# Altium PCB FIT_TDC_ADC.PcbDoc (part 2 of 10) (continued)
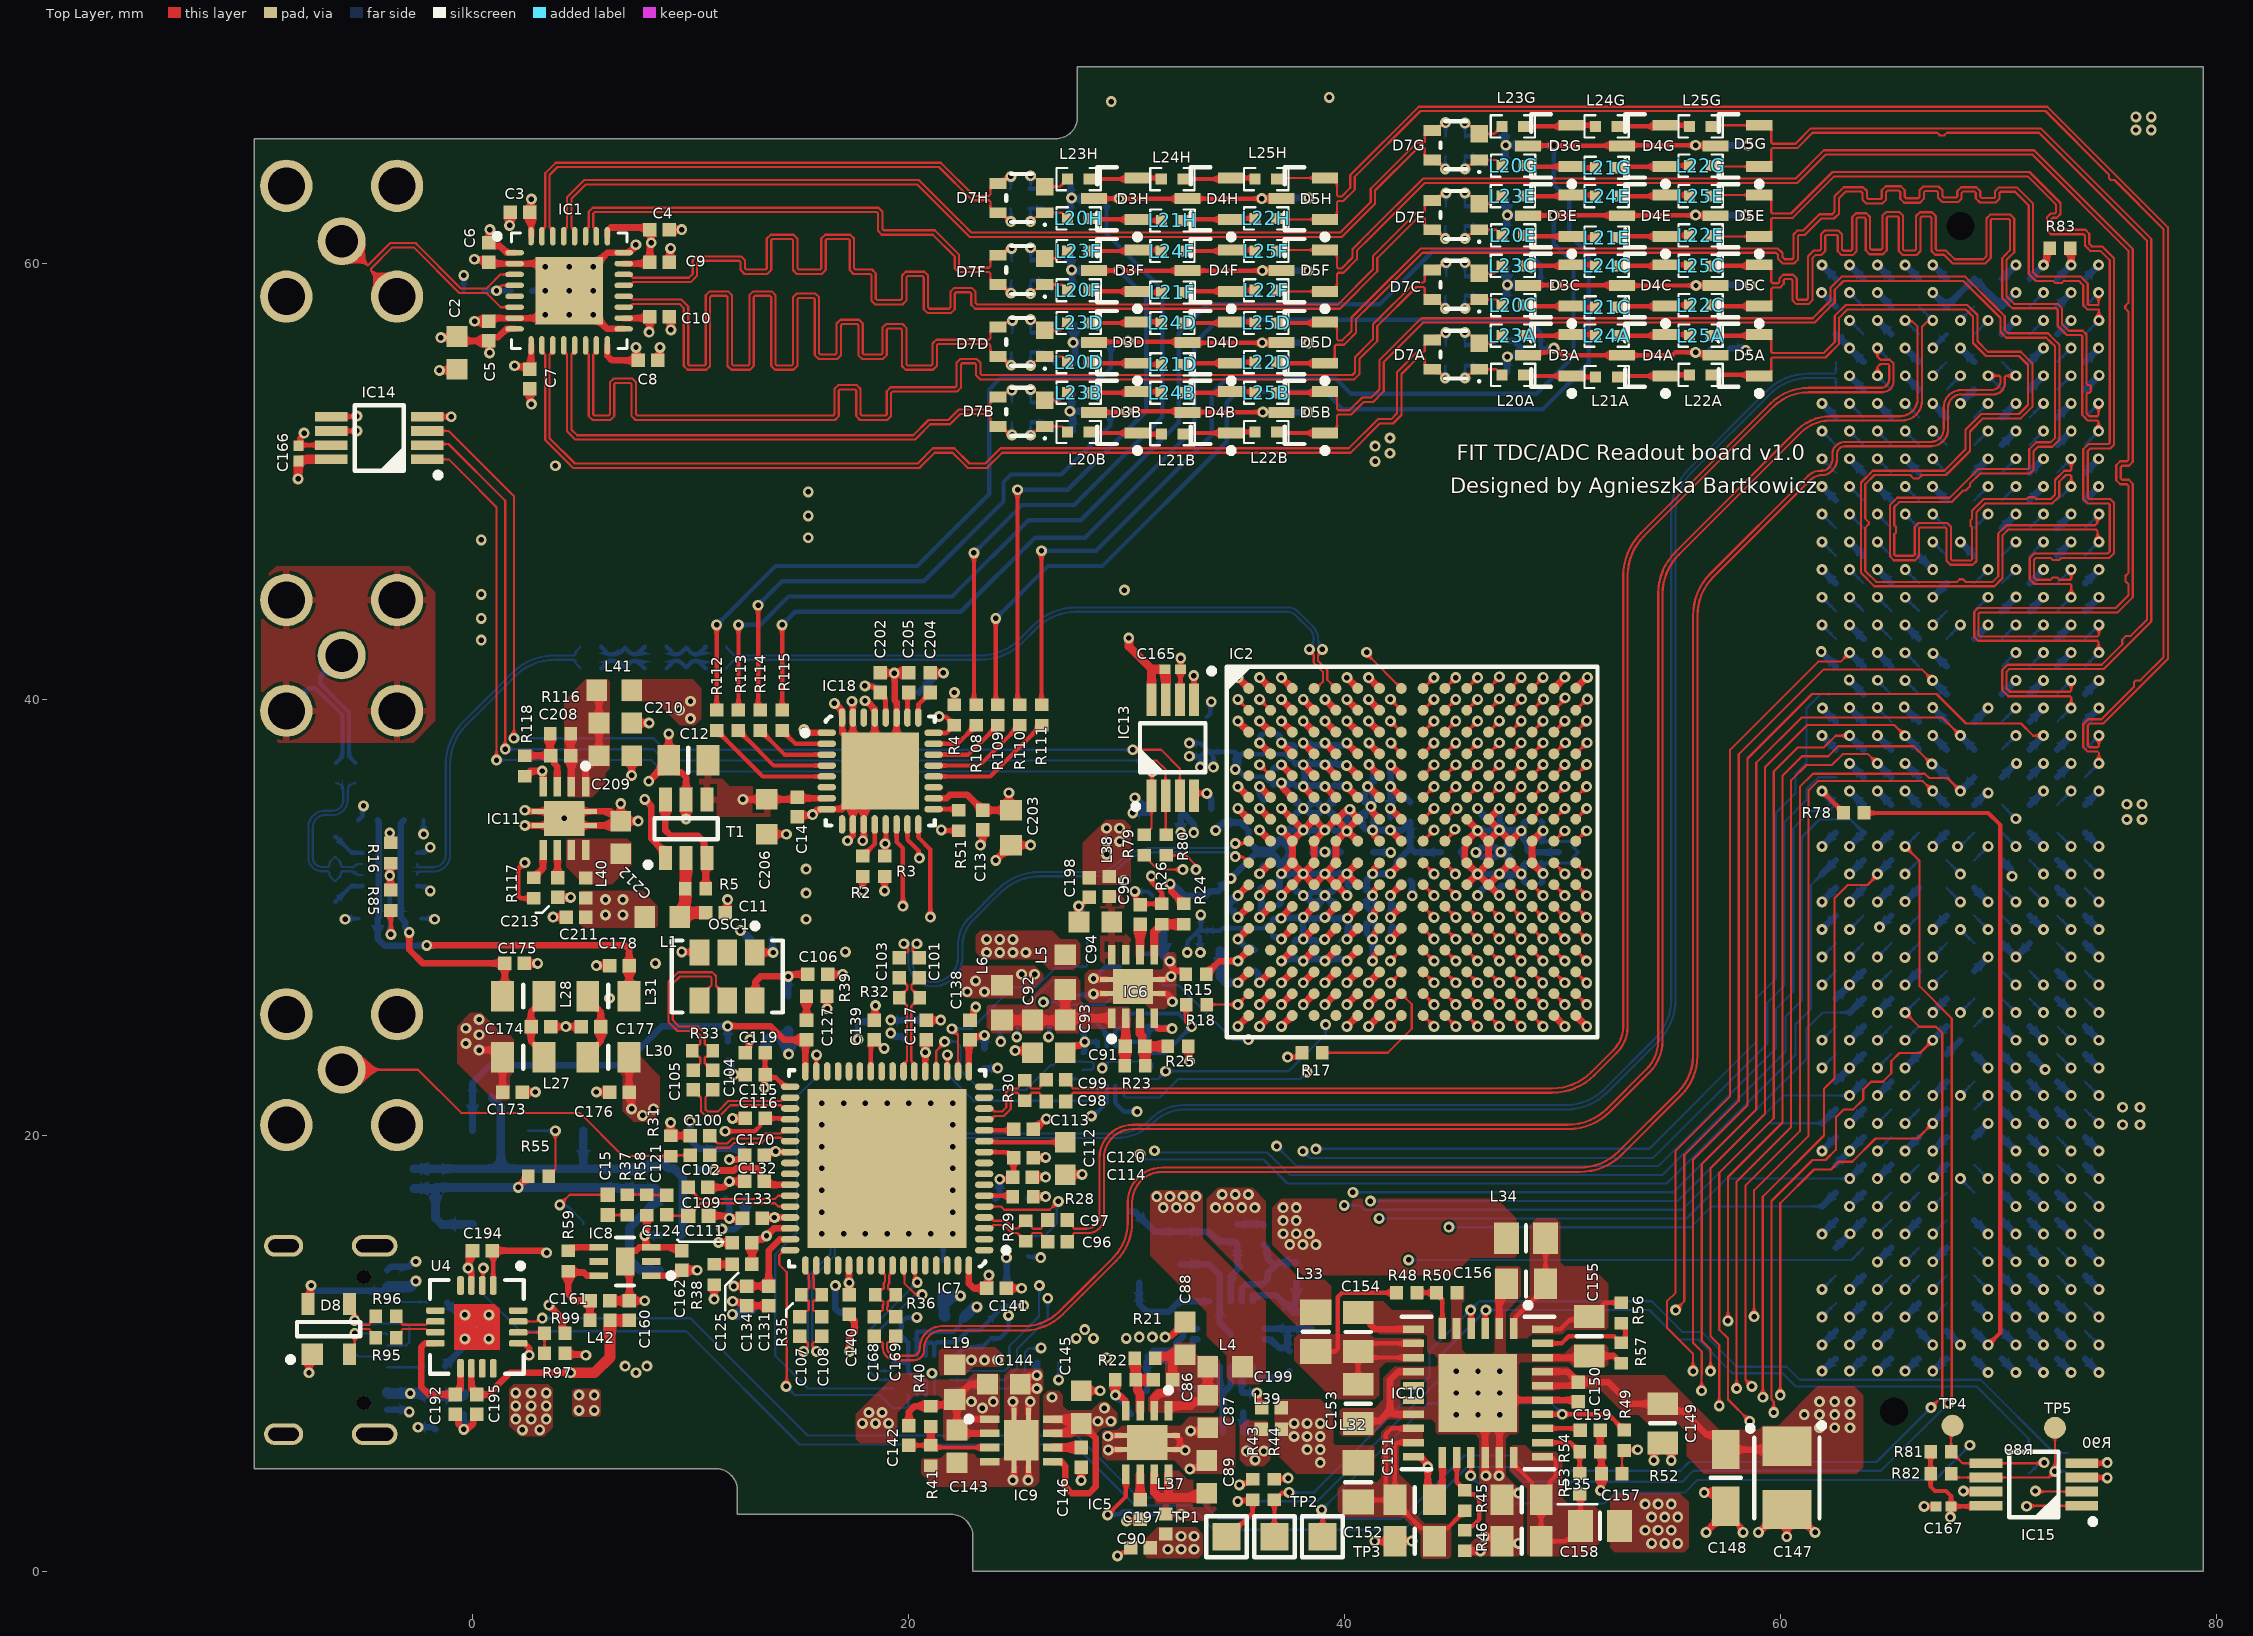
[diagram p0: Top Layer view]
## Part data (continued)
J1 J2 J3: library part SAMTEC_SMA-J-P-H-RA-TH1, Manufacturer=SAMTEC, Manufacturer Part Number=SMA-J-P-H-RA-TH1, Author="CERN DEM BC", Component Type=Standard, ComponentHeight=13.8mm, CreateDate=11.01.2021, Family=SMA, HelpURL=\\cern.ch\dfs\Applications\Altium\Datasheets\SAMTEC_SMA-J-P-H-RA-TH1.pdf, LatestRevisionDate=11.01.2021, Mounted=Yes, Part Description="50 Ohms SMA Right Angle Through-hole PCB Jack", Part Number=SAMTEC_SMA-J-P-H-RA-TH1, Pin Count=5, PressFit=No, Sense=No, SMD=No, Socket=No, Status=None
J4: library part SAMTEC_ASP-134488-01, "Connector VITA 57, 400 Male contacts in 10 row abcdefghj", Manufacturer=SAMTEC, Manufacturer Part Number=ASP-134488-01, Author="CERN DEM JLC", Component Type=Standard, ComponentHeight=6.1mm, CreateDate=30.04.2009, Family="VITA 57", HelpURL=\\cern.ch\dfs\Applications\Altium\Datasheets\SAMTEC_ASP-134488-01.pdf, LatestRevisionDate=10.02.2022, Mounted=Yes, Part Description="400 contacts (10 rows abcdefghjk) Surface Mount Male Connector, VITA 57 (MC-HPC-10)", Part Number=SAMTEC_ASP-134488-01, Pin Count=400, PressFit=No, Sense=Yes, Sense Comment="Solder Paste Deposition Sensitive – Check Manufacturer Recommendations for Stencil Design", SMD=Yes, Socket=No, Status=None
J5: library part e7c17a616881a82b79941196b4bec10, "CONN RCPT USB2.0 TYPEC 5A", Current Rating=5/6.25/1.25/0.25A, Manufacturer=GCT, Package=0, Temperature="-40°C to +85°C", Temperature Range High=+85°C, Temperature Range Low=-40°C, Voltage Rating=20V, Automotive=No, Category=Conn, ComponentLink2Description=Datasheet, ComponentLink2URL=https://gct.co/files/drawings/usb4105.pdf, Conn Orientation="Right Angle", Contact Material=Gold,Nickel, Device Class L1=Connectors, Device Class L2="USB Connectors", Device Class L3=unset, Digikey Description="CONN RCPT USB2.0 TYPEC 5A", Height=3.46mm, Is Female=yes, Lead Free=Yes, Manufacturer Part Number=USB4105-GF-A, Number Of Contacts=16, Octopart=https://octopart.com/usb4105-gf-a-gct-106627878, RoHS=TRUE, Usb Standard="USB 2.0"
L1 L4 L5 L6 L7 L19 L41: library part IND0603_MURATA_BLM18KG102SN1, Case=0603, Manufacturer=MURATA, Manufacturer Part Number=BLM18KG102WH1, Power=1A, Resistance=0.2R, Tolerance=±25%, Author="CERN DEM HF", Component Type=Standard, ComponentHeight=0.95mm, CreateDate=15.12.2022, HelpURL=\\cern.ch\dfs\Applications\Altium\Datasheets\IND0603_MURATA_BLM18KG102SN1.pdf, LatestRevisionDate=15.12.2022, Mounted=Yes, Part Description="SMD Chip Ferrite Bead, Automotive", Part Number=IND0603_MURATA_BLM18KG102SN1, Pin Count=2, Sense=No, SMD=Yes, Socket=No
L2 L3: library part IND0402_47NH_2%_MURATA_LQW15AN47NG00, "Inductor With Core", Case=0402, Manufacturer=MURATA, Manufacturer Part Number=LQW15AN47NG00, Power=210mA, Resistance=1R08, Tolerance=±2%, Author="CERN DEM HF", Component Type=Standard, ComponentHeight=0.6mm, CreateDate=05.08.2022, HelpURL=\\cern.ch\dfs\Applications\Altium\Datasheets\IND_MURATA_LQW15AN47NG00.pdf, LatestRevisionDate=05.08.2022, Mounted=Yes, Part Description="Wire Wound RF Inductor", Part Number=IND0402_47NH_2%_MURATA_LQW15AN47NG00, Pin Count=2, Sense=No, SMD=Yes, Socket=No
L8 L9 L10 L11 L12 L13 L14 L15 L16 L17 L18 L26 L36 L37 L38 L39 L40 L42 L43: library part IND0402_MURATA_BLM15PX121SN1D, Case=0402, Manufacturer=MURATA, Manufacturer Part Number=BLM15PX121SN1D, Power=2A, Resistance=0.055R, Tolerance=±25%, Author="CERN DEM JMW", Component Type=Standard, ComponentHeight=0.55mm, CreateDate=19.02.2014, HelpURL=\\cern.ch\dfs\Applications\Altium\Datasheets\IND0402_MURATA_BLM15PX.pdf, LatestRevisionDate=25.10.2018, Mounted=Yes, Part Description="SMD EMIFIL Chip Ferrite Bead", Part Number=IND0402_MURATA_BLM15PX121SN1D, Pin Count=2, Sense=No, SMD=Yes, Socket=No
L20A L20B L20C L20D L20E L20F L20G L20H L21A L21B L21C L21D L21E L21F L21G L21H L22A L22B L22C L22D L22E L22F L22G L22H L23A L23B L23C L23D L23E L23F L23G L23H L24A L24B L24C L24D L24E L24F L24G L24H L25A L25B L25C L25D L25E L25F L25G L25H: library part IND_LQW15AN10NG00D, "Murata Wirewound inductor 0402 package, 170mOhms, 500mA Q>25, self resonant freq. 5.5GHz, -55 +125C range"
L27 L28 L30 L31: library part IND0805_1UH_20%_WURTH_74479775210, "Inductor", Case=0805, Manufacturer="WURTH ELEKTRONIK", Manufacturer Part Number=74479775210, Power=800mA, Resistance=0.1R, Tolerance=±20%, Author="CERN DEM JLC", Component Type=Standard, ComponentHeight=1.2mm, CreateDate=10.10.2012, HelpURL=\\cern.ch\dfs\Applications\Altium\Datasheets\IND0805_WURTH_74479775210.pdf, LatestRevisionDate=08.04.2014, Mounted=Yes, Part Description="SMD-Power Inductance (WE-PMI Series)", Part Number=IND0805_1UH_20%_WURTH_74479775210, Pin Count=2, Sense=No, SMD=Yes, Socket=No
L29: library part IND_4.7UH_20%_COILCRAFT_EPL3015, "Inductor", Manufacturer=COILCRAFT, Manufacturer Part Number=EPL3015-472ML, Power=1A, Resistance=0.145R, Tolerance=±20%, Author="CERN DEM BC", Component Type=Standard, ComponentHeight=1.55mm, CreateDate=27.02.2017, HelpURL=\\cern.ch\dfs\Applications\Altium\Datasheets\IND_COILCRAFT_EPL3015.pdf, LatestRevisionDate=27.02.2017, Mounted=Yes, Part Description="Shielded SMD Power Inductor", Part Number=IND_4.7UH_20%_COILCRAFT_EPL3015, Pin Count=2, Sense=No, SMD=Yes, Socket=No
L32 L33 L34 L35: library part IND0805_MURATA_BLM21SP181BH1D, Case=0805, Manufacturer=MURATA, Manufacturer Part Number=BLM21SP181BH1, Power=4A, Resistance=0.02R, Tolerance=±25%, Author="CERN DEM JMW", Component Type=Standard, ComponentHeight=1.05mm, CreateDate=30.07.2021, HelpURL=\\cern.ch\dfs\Applications\Altium\Datasheets\IND0805_MURATA_BLM21SP181BH1.pdf, LatestRevisionDate=30.07.2021, Mounted=Yes, Part Description="SMD EMIFIL Chip Ferrite Bead", Part Number=IND0805_MURATA_BLM21SP181BH1D, Pin Count=2, Sense=No, SMD=Yes, Socket=No
OSC1: library part OSC_125MHZ_SI-TIME_SIT9121AI-2C2-33E125.000000, "Standard Frequency Differential Oscillator", Manufacturer="SI TIME", Manufacturer Part Number=SIT9121AI-2C2-33E125.000000, Author="CERN DEM HF", Bonding=No, Component Type=Standard, ComponentHeight=0.8mm, CreateDate=06.12.2024, HelpURL=\\cern.ch\dfs\Applications\Altium\Datasheets\OSC_SI-TIME_SIT9121.pdf, LatestRevisionDate=06.12.2024, Mounted=Yes, PackageDescription="SiT9121 Series Package C, Oscillators, Version 3.2.0mm x 5.0mm, Pitch 1.27mm; 6 Pin", Part Description="3.3V, ±25ppm, -40..85°C, 3.2x5.0mm Surface Mount LVDS High Performance Differential Oscillator (SIT9121 Series)", Part Number=OSC_125MHZ_SI-TIME_SIT9121AI-2C2-33E125.000000, Pin Count=6, PressFit=No, Sense=No, SMD=Yes, Socket=No
OSC2: library part OSC_122.880MHZ_ABRACON_ASG-D-V-A-122.880MHZ, "Programmable - High Performance SMD VCXO", Manufacturer=ABRACON, Manufacturer Part Number=ASG-D-V-A-122.880MHZ, Author="CERN DEM HF", Bonding=No, Component Type=Standard, ComponentHeight=1.9mm, CreateDate=26.10.2021, HelpURL=\\cern.ch\dfs\Applications\Altium\Datasheets\OSC_ABRACON_ASG-D.pdf, LatestRevisionDate=26.10.2021, Mounted=Yes, PackageDescription="SMD Oscillator, Side Concave; 2.54mm Pitch; 6 Pins, 5.00mm L X 7.00mm W X 1.90mm H, IPC Medium Density", Part Description="3.3V, Stability: ±35ppm, -40°C to +85°C, Programmable - High Performance SMD VCXO, LVDS Output, ASG-D Series", Part Number=OSC_122.880MHZ_ABRACON_ASG-D-V-A-122.880MHZ, Pin Count=6, PressFit=No, Sense=No, SMD=Yes, Socket=No
R1: library part R0402_15R_1%_0.0625W_100PPM, "Resistor - 1%", Case=0402, Manufacturer=GENERIC, Manufacturer1 ComponentHeight=0.4mm, Manufacturer1 Example="YAGEO PHYCOMP", Manufacturer1 Part Number=232270671509L, Power=0.0625W, Tolerance=±1%, Author="CERN DEM JLC", Component Type=Standard, CreateDate=03.12.2007, HelpURL=\\cern.ch\dfs\Applications\Altium\Datasheets\R0402_Phycomp_RC0402.pdf, LatestRevisionDate=17.10.2012, Manufacturer Part Number=R0402_15R_1%_0.0625W_100PPM, Mounted=Yes, Part Description="General Purpose Thick Film Chip Resistor", Part Number=R0402_15R_1%_0.0625W_100PPM, Pin Count=2, PressFit=No, Sense=No, SMD=Yes, Socket=No, Status="Not Recommended", TC=±100ppm/°C
R2 R3 R4 R5 R16 R17 R18 R19 R24 R34 R46 R51 R55 R78 R81 R82 R83 R91 R92 R93 R94 R99: library part R0402_10K_1%_0.0625W_100PPM, "Resistor - 1%", Case=0402, Manufacturer=GENERIC, Manufacturer1 ComponentHeight=0.4mm, Manufacturer1 Example="YAGEO PHYCOMP", Manufacturer1 Part Number=232270671003L, Power=0.0625W, Tolerance=±1%, Author="CERN DEM JLC", Component Type=Standard, HelpURL=\\cern.ch\dfs\Applications\Altium\Datasheets\R0402_Phycomp_RC0402.pdf, Manufacturer Part Number=R0402_10K_1%_0.0625W_100PPM, Mounted=Yes, Part Description="General Purpose Thick Film Chip Resistor", Part Number=R0402_10K_1%_0.0625W_100PPM, Pin Count=2, SMD=Yes, Socket=No, TC=±100ppm/°C
  R2 R3 R4 R5 R16 R17 R18 R19 R24 R34 R46 R51 R55 R83 R91 R92 R93 R94 R99: CreateDate=03.12.2007, LatestRevisionDate=17.10.2012, PressFit=No, Sense=No, Status="Not Recommended"
  R78 R81 R82: CreateDate=3/12/2007, LatestRevisionDate=17/10/2012, Status="Not recommended", Table="Resistors SMD"
R6 R13: library part R0402_75R_1%_0.0625W_100PPM, "Resistor - 1%", Case=0402, Manufacturer=GENERIC, Manufacturer1 ComponentHeight=0.4mm, Manufacturer1 Example="YAGEO PHYCOMP", Manufacturer1 Part Number=232270677509L, Power=0.0625W, Tolerance=±1%, Author="CERN DEM JLC", Component Type=Standard, CreateDate=03.12.2007, HelpURL=\\cern.ch\dfs\Applications\Altium\Datasheets\R0402_Phycomp_RC0402.pdf, LatestRevisionDate=17.10.2012, Manufacturer Part Number=R0402_75R_1%_0.0625W_100PPM, Mounted=Yes, Part Description="General Purpose Thick Film Chip Resistor", Part Number=R0402_75R_1%_0.0625W_100PPM, Pin Count=2, PressFit=No, Sense=No, SMD=Yes, Socket=No, Status="Not Recommended", TC=±100ppm/°C
R7 R9 R10 R12 R42A R42B R42C R42D R42E R42F R42G R42H R47A R47B R47C R47D R47E R47F R47G R47H R86 R88 R95 R96: library part R0402_20R_1%_0.0625W_100PPM, "Resistor - 1%", Case=0402, Manufacturer=GENERIC, Manufacturer1 ComponentHeight=0.4mm, Manufacturer1 Example="YAGEO PHYCOMP", Manufacturer1 Part Number=232270672009L, Power=0.0625W, Tolerance=±1%, Author="CERN DEM JLC", Component Type=Standard, CreateDate=03.12.2007, HelpURL=\\cern.ch\dfs\Applications\Altium\Datasheets\R0402_Phycomp_RC0402.pdf, LatestRevisionDate=17.10.2012, Manufacturer Part Number=R0402_20R_1%_0.0625W_100PPM, Mounted=Yes, Part Description="General Purpose Thick Film Chip Resistor", Part Number=R0402_20R_1%_0.0625W_100PPM, Pin Count=2, PressFit=No, Sense=No, SMD=Yes, Socket=No, Status="Not Recommended", TC=±100ppm/°C
R8 R11 R14 R15 R28 R31 R58: library part R0402_49R9_1%_0.0625W_100PPM, "Resistor - 1%", Case=0402, Manufacturer=GENERIC, Manufacturer1 ComponentHeight=0.4mm, Manufacturer1 Example="YAGEO PHYCOMP", Manufacturer1 Part Number="232270674999L or RC0402FR-0749R9L", Power=0.0625W, Tolerance=±1%, Author="CERN DEM JLC", Component Type=Standard, CreateDate=24.10.2012, HelpURL=\\cern.ch\dfs\Applications\Altium\Datasheets\R0402_Phycomp_RC0402.pdf, LatestRevisionDate=24.10.2012, Manufacturer Part Number=R0402_49R9_1%_0.0625W_100PPM, Mounted=Yes, Part Description="General Purpose Thick Film Chip Resistor", Part Number=R0402_49R9_1%_0.0625W_100PPM, Pin Count=2, PressFit=No, Sense=No, SMD=Yes, Socket=No, Status="Not Recommended", TC=±100ppm/°C
R20: library part R0603_20K5_0.1%_0.063W_10PPM, "Resistor - 0.1%", Case=0603, Manufacturer=GENERIC, Manufacturer1 ComponentHeight=0.5mm, Manufacturer1 Example="TYCO HOLSWORTHY", Manufacturer1 Part Number=RN73C1J20K5BTDF, Power=0.063W, Tolerance=±0.1%, Author="CERN DEM JLC", Component Type=Standard, CreateDate=03.12.2007, HelpURL=\\cern.ch\dfs\Applications\Altium\Datasheets\R0603_Tyco_RN73.pdf, LatestRevisionDate=13.03.2008, Manufacturer Part Number=R0603_20K5_0.1%_0.063W_10PPM, Mounted=Yes, Part Description="Thin Film Chip Resistor", Part Number=R0603_20K5_0.1%_0.063W_10PPM, Pin Count=2, PressFit=No, Sense=No, SMD=Yes, Socket=No, Status="Not Recommended", TC=±10ppm
R21: library part R0402_2K49_1%_0.063W_100PPM, "Resistor - 1%", Case=0402, Manufacturer=GENERIC, Manufacturer1 ComponentHeight=0.4mm, Manufacturer1 Example=VISHAY, Manufacturer1 Part Number=CRCW04022K49FK, Power=0.063W, Tolerance=±1%, Author="CERN DEM BC", Component Type=Standard, CreateDate=10.01.2020, HelpURL="\\cern.ch\dfs\Applications\Altium\Datasheets\R0402_VISHAY_CRCW e3.pdf", LatestRevisionDate=10.01.2020, Manufacturer Part Number=R0402_2K49_1%_0.063W_100PPM, Mounted=Yes, Part Description="General Purpose Thick Film Chip Resistor", Part Number=R0402_2K49_1%_0.063W_100PPM, Pin Count=2, PressFit=No, Sense=No, SMD=Yes, Socket=No, Status=None, TC=±100ppm/°C
R22 R41 R118: library part R0402_1K8_1%_0.0625W_100PPM, "Resistor - 1%", Case=0402, Manufacturer=GENERIC, Manufacturer1 ComponentHeight=0.4mm, Manufacturer1 Example="YAGEO PHYCOMP", Manufacturer1 Part Number=232270671802L, Power=0.0625W, Tolerance=±1%, Author="CERN DEM JLC", Component Type=Standard, CreateDate=03.12.2007, HelpURL=\\cern.ch\dfs\Applications\Altium\Datasheets\R0402_Phycomp_RC0402.pdf, LatestRevisionDate=17.10.2012, Manufacturer Part Number=R0402_1K8_1%_0.0625W_100PPM, Mounted=Yes, Part Description="General Purpose Thick Film Chip Resistor", Part Number=R0402_1K8_1%_0.0625W_100PPM, Pin Count=2, PressFit=No, Sense=No, SMD=Yes, Socket=No, Status="Not Recommended", TC=±100ppm/°C
R23 R50 R54 R57: library part R0402_7K5_1%_0.0625W_100PPM, "Resistor - 1%", Case=0402, Manufacturer=GENERIC, Manufacturer1 ComponentHeight=0.4mm, Manufacturer1 Example="YAGEO PHYCOMP", Manufacturer1 Part Number=232270677502L, Power=0.0625W, Tolerance=±1%, Author="CERN DEM JLC", Component Type=Standard, CreateDate=03.12.2007, HelpURL=\\cern.ch\dfs\Applications\Altium\Datasheets\R0402_Phycomp_RC0402.pdf, LatestRevisionDate=17.10.2012, Manufacturer Part Number=R0402_7K5_1%_0.0625W_100PPM, Mounted=Yes, Part Description="General Purpose Thick Film Chip Resistor", Part Number=R0402_7K5_1%_0.0625W_100PPM, Pin Count=2, PressFit=No, Sense=No, SMD=Yes, Socket=No, Status="Not Recommended", TC=±100ppm/°C
R25 R26: library part R0402_20K_1%_0.0625W_100PPM, "Resistor - 1%", Case=0402, Manufacturer=GENERIC, Manufacturer1 ComponentHeight=0.4mm, Manufacturer1 Example="YAGEO PHYCOMP", Manufacturer1 Part Number=232270672003L, Power=0.0625W, Tolerance=±1%, Author="CERN DEM JLC", Component Type=Standard, CreateDate=03.12.2007, HelpURL=\\cern.ch\dfs\Applications\Altium\Datasheets\R0402_Phycomp_RC0402.pdf, LatestRevisionDate=17.10.2012, Manufacturer Part Number=R0402_20K_1%_0.0625W_100PPM, Mounted=Yes, Part Description="General Purpose Thick Film Chip Resistor", Part Number=R0402_20K_1%_0.0625W_100PPM, Pin Count=2, PressFit=No, Sense=No, SMD=Yes, Socket=No, Status="Not Recommended", TC=±100ppm/°C
R27: library part R0402_470R_1%_0.0625W_100PPM, "Resistor - 1%", Case=0402, Manufacturer=GENERIC, Manufacturer1 ComponentHeight=0.4mm, Manufacturer1 Example="YAGEO PHYCOMP", Manufacturer1 Part Number=232270674701L, Power=0.0625W, Tolerance=±1%, Author="CERN DEM JLC", Component Type=Standard, CreateDate=03.12.2007, HelpURL=\\cern.ch\dfs\Applications\Altium\Datasheets\R0402_Phycomp_RC0402.pdf, LatestRevisionDate=17.10.2012, Manufacturer Part Number=R0402_470R_1%_0.0625W_100PPM, Mounted=Yes, Part Description="General Purpose Thick Film Chip Resistor", Part Number=R0402_470R_1%_0.0625W_100PPM, Pin Count=2, PressFit=No, Sense=No, SMD=Yes, Socket=No, Status="Not Recommended", TC=±100ppm/°C
R29 R30 R32 R35 R36: library part R0402_560R_1%_0.0625W_100PPM, "Resistor - 1%", Case=0402, Manufacturer=GENERIC, Manufacturer1 ComponentHeight=0.4mm, Manufacturer1 Example="YAGEO PHYCOMP", Manufacturer1 Part Number=232270675601L, Power=0.0625W, Tolerance=±1%, Author="CERN DEM JLC", Component Type=Standard, CreateDate=03.12.2007, HelpURL=\\cern.ch\dfs\Applications\Altium\Datasheets\R0402_Phycomp_RC0402.pdf, LatestRevisionDate=17.10.2012, Manufacturer Part Number=R0402_560R_1%_0.0625W_100PPM, Mounted=Yes, Part Description="General Purpose Thick Film Chip Resistor", Part Number=R0402_560R_1%_0.0625W_100PPM, Pin Count=2, PressFit=No, Sense=No, SMD=Yes, Socket=No, Status="Not Recommended", TC=±100ppm/°C
R33 R37: library part R0402_100R_1%_0.0625W_100PPM, "Resistor - 1%", Case=0402, Manufacturer=GENERIC, Manufacturer1 ComponentHeight=0.4mm, Manufacturer1 Example="YAGEO PHYCOMP", Manufacturer1 Part Number=232270671001L, Power=0.0625W, Tolerance=±1%, Author="CERN DEM JLC", Component Type=Standard, CreateDate=03.12.2007, HelpURL=\\cern.ch\dfs\Applications\Altium\Datasheets\R0402_Phycomp_RC0402.pdf, LatestRevisionDate=17.10.2012, Manufacturer Part Number=R0402_100R_1%_0.0625W_100PPM, Mounted=Yes, Part Description="General Purpose Thick Film Chip Resistor", Part Number=R0402_100R_1%_0.0625W_100PPM, Pin Count=2, PressFit=No, Sense=No, SMD=Yes, Socket=No, Status="Not Recommended", TC=±100ppm/°C
R38: library part R0402_620R_1%_0.0625W_100PPM, "Resistor - 1%", Case=0402, Manufacturer=GENERIC, Manufacturer1 ComponentHeight=0.4mm, Manufacturer1 Example="YAGEO PHYCOMP", Manufacturer1 Part Number=232270676201L, Power=0.0625W, Tolerance=±1%, Author="CERN DEM JLC", Component Type=Standard, CreateDate=03.12.2007, HelpURL=\\cern.ch\dfs\Applications\Altium\Datasheets\R0402_Phycomp_RC0402.pdf, LatestRevisionDate=17.10.2012, Manufacturer Part Number=R0402_620R_1%_0.0625W_100PPM, Mounted=Yes, Part Description="General Purpose Thick Film Chip Resistor", Part Number=R0402_620R_1%_0.0625W_100PPM, Pin Count=2, PressFit=No, Sense=No, SMD=Yes, Socket=No, Status="Not Recommended", TC=±100ppm/°C
R39 R59: library part R0402_39K_1%_0.0625W_100PPM, "Resistor - 1%", Case=0402, Manufacturer=GENERIC, Manufacturer1 ComponentHeight=0.4mm, Manufacturer1 Example="YAGEO PHYCOMP", Manufacturer1 Part Number=232270673903, Power=0.0625W, Tolerance=±1%, Author="CERN DEM JLC", Component Type=Standard, CreateDate=03.12.2007, HelpURL=\\cern.ch\dfs\Applications\Altium\Datasheets\R0402_Phycomp_RC0402.pdf, LatestRevisionDate=17.10.2012, Manufacturer Part Number=R0402_39K_1%_0.0625W_100PPM, Mounted=Yes, Part Description="General Purpose Thick Film Chip Resistor", Part Number=R0402_39K_1%_0.0625W_100PPM, Pin Count=2, PressFit=No, Sense=No, SMD=Yes, Socket=No, Status="Not Recommended", TC=±100ppm/°C
R40: library part R0402_5K6_1%_0.0625W_100PPM, "Resistor - 1%", Case=0402, Manufacturer=GENERIC, Manufacturer1 ComponentHeight=0.4mm, Manufacturer1 Example="YAGEO PHYCOMP", Manufacturer1 Part Number=232270675602L, Power=0.0625W, Tolerance=±1%, Author="CERN DEM JLC", Component Type=Standard, CreateDate=03.12.2007, HelpURL=\\cern.ch\dfs\Applications\Altium\Datasheets\R0402_Phycomp_RC0402.pdf, LatestRevisionDate=17.10.2012, Manufacturer Part Number=R0402_5K6_1%_0.0625W_100PPM, Mounted=Yes, Part Description="General Purpose Thick Film Chip Resistor", Part Number=R0402_5K6_1%_0.0625W_100PPM, Pin Count=2, PressFit=No, Sense=No, SMD=Yes, Socket=No, Status="Not Recommended", TC=±100ppm/°C
R43 R44 R52: library part R0402_68K_1%_0.0625W_100PPM, "Resistor - 1%", Case=0402, Manufacturer=GENERIC, Manufacturer1 ComponentHeight=0.4mm, Manufacturer1 Example="YAGEO PHYCOMP", Manufacturer1 Part Number=232270676803L, Power=0.0625W, Tolerance=±1%, Author="CERN DEM JLC", Component Type=Standard, CreateDate=03.12.2007, HelpURL=\\cern.ch\dfs\Applications\Altium\Datasheets\R0402_Phycomp_RC0402.pdf, LatestRevisionDate=17.10.2012, Manufacturer Part Number=R0402_68K_1%_0.0625W_100PPM, Mounted=Yes, Part Description="General Purpose Thick Film Chip Resistor", Part Number=R0402_68K_1%_0.0625W_100PPM, Pin Count=2, PressFit=No, Sense=No, SMD=Yes, Socket=No, Status="Not Recommended", TC=±100ppm/°C
R45: library part R0402_56K_1%_0.0625W_100PPM, "Resistor - 1%", Case=0402, Manufacturer=GENERIC, Manufacturer1 ComponentHeight=0.4mm, Manufacturer1 Example="YAGEO PHYCOMP", Manufacturer1 Part Number=232270675603L, Power=0.0625W, Tolerance=±1%, Author="CERN DEM JLC", Component Type=Standard, CreateDate=03.12.2007, HelpURL=\\cern.ch\dfs\Applications\Altium\Datasheets\R0402_Phycomp_RC0402.pdf, LatestRevisionDate=17.10.2012, Manufacturer Part Number=R0402_56K_1%_0.0625W_100PPM, Mounted=Yes, Part Description="General Purpose Thick Film Chip Resistor", Part Number=R0402_56K_1%_0.0625W_100PPM, Pin Count=2, PressFit=No, Sense=No, SMD=Yes, Socket=No, Status="Not Recommended", TC=±100ppm/°C
R48: library part R0402_24K_1%_0.0625W_100PPM, "Resistor - 1%", Case=0402, Manufacturer=GENERIC, Manufacturer1 ComponentHeight=0.4mm, Manufacturer1 Example="YAGEO PHYCOMP", Manufacturer1 Part Number=232270672403L, Power=0.0625W, Tolerance=±1%, Author="CERN DEM JLC", Component Type=Standard, CreateDate=03.12.2007, HelpURL=\\cern.ch\dfs\Applications\Altium\Datasheets\R0402_Phycomp_RC0402.pdf, LatestRevisionDate=17.10.2012, Manufacturer Part Number=R0402_24K_1%_0.0625W_100PPM, Mounted=Yes, Part Description="General Purpose Thick Film Chip Resistor", Part Number=R0402_24K_1%_0.0625W_100PPM, Pin Count=2, PressFit=No, Sense=No, SMD=Yes, Socket=No, Status="Not Recommended", TC=±100ppm/°C
R49 R53 R56: library part R0402_15K_1%_0.0625W_100PPM, "Resistor - 1%", Case=0402, Manufacturer=GENERIC, Manufacturer1 ComponentHeight=0.4mm, Manufacturer1 Example=VISHAY, Manufacturer1 Part Number=CRCW040215K0FK, Power=0.0625W, Tolerance=±1%, Author="CERN DEM JMW", Component Type=Standard, CreateDate=06.07.2015, HelpURL="\\cern.ch\dfs\Applications\Altium\Datasheets\R0402_VISHAY_CRCW e3.pdf", LatestRevisionDate=06.07.2015, Manufacturer Part Number=R0402_15K_1%_0.0625W_100PPM, Mounted=Yes, Part Description="General Purpose Thick Film Chip Resistor", Part Number=R0402_15K_1%_0.0625W_100PPM, Pin Count=2, PressFit=No, Sense=No, SMD=Yes, Socket=No, Status=Preferred, TC=±100ppm/°C
R79 R80 R89 R90: library part R0402_0R_JUMPER, "Resistor - 1%", Case=0402, Manufacturer=GENERIC, Manufacturer1 ComponentHeight=0.4mm, Manufacturer1 Example=PHYCOMP, Manufacturer1 Part Number=232270591001, Author="CERN DEM JLC", Component Type=Standard, CreateDate=2007-12-03, HelpURL=\\cern.ch\dfs\Applications\Altium\Datasheets\R0402_Phycomp_RC0402.pdf, LatestRevisionDate=2008-03-13, Manufacturer Part Number=R0402_0R_JUMPER, Mounted=Yes, Part Description="1A (0.05R Max DC Resistance) Zero Ohm Jumper", Part Number=R0402_0R_JUMPER, Pin Count=2, SMD=Yes, Socket=No, Status="Not recommended", Table="Resistors SMD"
R85: library part R0402_0R_JUMPER, "Resistor", Case=0402, Manufacturer=GENERIC, Manufacturer1 ComponentHeight=0.4mm, Manufacturer1 Example="YAGEO PHYCOMP", Manufacturer1 Part Number=232270591001L, Author="CERN DEM JLC", Component Type=Standard, CreateDate=03.12.2007, HelpURL=\\cern.ch\dfs\Applications\Altium\Datasheets\R0402_Phycomp_RC0402.pdf, LatestRevisionDate=17.10.2012, Manufacturer Part Number=R0402_0R_JUMPER, Mounted=Yes, Part Description="1A (0.05R Max DC Resistance) Zero Ohm Jumper", Part Number=R0402_0R_JUMPER, Pin Count=2, PressFit=No, Sense=No, SMD=Yes, Socket=No, Status="Not Recommended"
R87: library part R0402_100K_1%_0.0625W_100PPM, "Resistor - 1%", Case=0402, Manufacturer=GENERIC, Manufacturer1 ComponentHeight=0.4mm, Manufacturer1 Example="YAGEO PHYCOMP", Manufacturer1 Part Number=232270671004L, Power=0.0625W, Tolerance=±1%, Author="CERN DEM JLC", Component Type=Standard, CreateDate=03.12.2007, HelpURL=\\cern.ch\dfs\Applications\Altium\Datasheets\R0402_Phycomp_RC0402.pdf, LatestRevisionDate=17.10.2012, Manufacturer Part Number=R0402_100K_1%_0.0625W_100PPM, Mounted=Yes, Part Description="General Purpose Thick Film Chip Resistor", Part Number=R0402_100K_1%_0.0625W_100PPM, Pin Count=2, PressFit=No, Sense=No, SMD=Yes, Socket=No, Status="Not Recommended", TC=±100ppm/°C
R97: library part R0402_17K8_1%_0.0625W_100PPM, "Resistor - 1%", Case=0402, Manufacturer=GENERIC, Manufacturer1 ComponentHeight=0.4mm, Manufacturer1 Example="YAGEO PHYCOMP", Manufacturer1 Part Number=RC0402FR-0717K8L, Power=0.0625W, Tolerance=±1%, Author="CERN DEM BC", Component Type=Standard, CreateDate=16.03.2021, HelpURL=\\cern.ch\dfs\Applications\Altium\Datasheets\R0402_YAGEO_RC_L.pdf, LatestRevisionDate=16.03.2021, Manufacturer Part Number=R0402_17K8_1%_0.0625W_100PPM, Mounted=Yes, Part Description="General Purpose Thick Film Chip Resistor", Part Number=R0402_17K8_1%_0.0625W_100PPM, Pin Count=2, PressFit=No, Sense=No, SMD=Yes, Socket=No, Status=Preferred, TC=±100ppm/°C
R98 R100: library part R0402_5K1_1%_0.0625W_100PPM, "Resistor - 1%", Case=0402, Manufacturer=GENERIC, Manufacturer1 ComponentHeight=0.4mm, Manufacturer1 Example="YAGEO PHYCOMP", Manufacturer1 Part Number=232270675102L, Power=0.0625W, Tolerance=±1%, Author="CERN DEM JLC", Component Type=Standard, CreateDate=03.12.2007, HelpURL=\\cern.ch\dfs\Applications\Altium\Datasheets\R0402_Phycomp_RC0402.pdf, LatestRevisionDate=17.10.2012, Manufacturer Part Number=R0402_5K1_1%_0.0625W_100PPM, Mounted=Yes, Part Description="General Purpose Thick Film Chip Resistor", Part Number=R0402_5K1_1%_0.0625W_100PPM, Pin Count=2, PressFit=No, Sense=No, SMD=Yes, Socket=No, Status="Not Recommended", TC=±100ppm/°C
R108 R109 R110 R111 R112 R113 R114 R115 R117: library part R0402_1K_1%_0.0625W_100PPM, "Resistor - 1%", Case=0402, Manufacturer=GENERIC, Manufacturer1 ComponentHeight=0.4mm, Manufacturer1 Example="YAGEO PHYCOMP", Manufacturer1 Part Number=232270671002L, Power=0.0625W, Tolerance=±1%, Author="CERN DEM JLC", Component Type=Standard, CreateDate=03.12.2007, HelpURL=\\cern.ch\dfs\Applications\Altium\Datasheets\R0402_Phycomp_RC0402.pdf, LatestRevisionDate=17.10.2012, Manufacturer Part Number=R0402_1K_1%_0.0625W_100PPM, Mounted=Yes, Part Description="General Purpose Thick Film Chip Resistor", Part Number=R0402_1K_1%_0.0625W_100PPM, Pin Count=2, PressFit=No, Sense=No, SMD=Yes, Socket=No, Status="Not Recommended", TC=±100ppm/°C
R116: library part R0402_9K31_1%_0.0625W_100PPM, "Resistor - 1%", Case=0402, Manufacturer=GENERIC, Manufacturer1 ComponentHeight=0.4mm, Manufacturer1 Example="YAGEO PHYCOMP", Manufacturer1 Part Number="232270679312L or RC0402FR-079K31L", Power=0.0625W, Tolerance=±1%, Author="CERN DEM JMW", Component Type=Standard, CreateDate=06.07.2015, HelpURL=\\cern.ch\dfs\Applications\Altium\Datasheets\R0402_Phycomp_RC0402.pdf, LatestRevisionDate=06.07.2015, Manufacturer Part Number=R0402_9K31_1%_0.0625W_100PPM, Mounted=Yes, Part Description="General Purpose Thick Film Chip Resistor", Part Number=R0402_9K31_1%_0.0625W_100PPM, Pin Count=2, PressFit=No, Sense=No, SMD=Yes, Socket=No, Status="Not Recommended", TC=±100ppm/°C
T1: "25V, 680mA N-Channel, and -25V, -460mA P-Channel, Dual Digital FET", Case=SOT23-6, Manufacturer="ON SEMICONDUCTOR", Author="CERN DEM BC", Bonding=No, Component Type=Standard, ComponentHeight=1mm, CreateDate=22.04.2021, Device=FDC6321C, HelpURL=\\cern.ch\dfs\Applications\Altium\Datasheets\FDC6321C.pdf, LatestRevisionDate=22.04.2021, Manufacturer Part Number=FDC6321C, Mounted=Yes, PackageDescription="SOT, 0.95mm Pitch; 6 Pin, 1.625mm W X 2.90mm L X 1.10mm H body, IPC Medium Density", Part Description="25V, 680mA, N-Channel, and -25V, -460mA P-Channel, Dual Digital FET", Part Number=FDC6321C, Pin Count=6, PressFit=No, Sense=No, SMD=Yes, Socket=No
T2: "Dual N-Channel micro TrenchMOS™ Ultra Low Level FET", Case=SOT363, Manufacturer="NXP SEMICONDUCTORS", Author="CERN DEM JLC", Bonding=No, Component Type=Standard, ComponentHeight=1.1mm, CreateDate=19.11.2014, Device=PMGD280UN, HelpURL=\\cern.ch\dfs\Applications\Altium\Datasheets\PMGD280UN.pdf, LatestRevisionDate=19.11.2014, Manufacturer Part Number=PMGD280UN, Mounted=Yes, PackageDescription="SOT363, SC70-6, 0.65mm Pitch; 6 Pin, 1.25mm W X 2.00mm L X 1.10mm H body, IPC Medium Density", Part Description="20V 870mA Dual N-Channel micro TrenchMOS™ Ultra Low Level FET", Part Number=PMGD280UN, Pin Count=6, PressFit=No, Sense=No, SMD=Yes, Socket=No
TP1 TP2 TP3: library part SMD_PAD_1.27X1.27MM, Author="CERN DEM JLC", Component Type="Standard (No BOM)", ComponentHeight=0mm, CreateDate=12.01.2008, Family="Test Point", HelpURL=Undefined, LatestRevisionDate=12.01.2008, Mounted=No, PackageDescription="1.27mm x 1.27mm PCB Copper Area (SMD Test Point)", Part Description="1.27mm x 1.27mm PCB Copper Area (SMD Test Point)", Part Number=SMD_PAD_1.27X1.27MM, Pin Count=1, Sense=No, SMD=Yes, Socket=No, Status=None
TP4 TP5: library part SMD_PAD_D1MM, "Through Hole Pad", Author="CERN DEM JLC", Component Type="Standard (No BOM)", ComponentHeight=0mm, CreateDate=10.10.2017, Family="SMD Pad", HelpURL=Undefined, LatestRevisionDate=10.10.2017, Mounted=No, PackageDescription="1mm Diameter SMD Pad", Part Description="1mm Diameter SMD Pad", Part Number=SMD_PAD_D1MM, Pin Count=1, Sense=No, SMD=No, Socket=No, Status=None
U4: "USB to Basic UART Interface Chip, UHCI/OHCI/EHCI Compatible, USB 2.0 Compatible, -40 to +85 degC, 16-Pin QFN, Pb-Free, Tray", Manufacturer=FTDI, Code_JEDEC=MO-220WGGC, ComponentLink1Description="Manufacturer URL", ComponentLink1URL=http://www.ftdichip.com/, ComponentLink2Description=Datasheet, ComponentLink2URL=http://www.ftdichip.com/Support/Documents/DataSheets/ICs/DS_FT230X.pdf, ComponentLink3Description="FT230X Product Page", ComponentLink3URL=www.ftdichip.com/Products/ICs/FT230X.html, DatasheetVersion="ver 1.2, Feb-2013", PackageDescription="16-Pin Quad Flat No-Lead, 4x4 mm Body, 0.65 mm Pitch", PackageReference=QFN-16, PackageVersion=Feb-13, PartNumber=FT230XQ-T

## Via types
v1: diameter 0.5, hole 0.25, Top Layer to Bottom Layer, tented both sides, 1171 vias
v2: diameter 0.5, hole 0.25, Top Layer to Bottom Layer, tented bottom, 39 vias
v3: diameter 0.5, hole 0.25, Top Layer to Bottom Layer, 29 vias

## Nets (pads, with @x,y where several pads share a name; then routed paths per layer and width w, separated by ;. In a path a pad name is that pad's centre, name@x,y a point inside that pad or via, vN(x,y) a via of type N, cw(c..) or ccw(c..) an arc to the next point about the centre after c; other vN are vias at no path point)
3P3V: J4.c39 J4.d36 J4.d38 J4.d40 | length 10.2
  SIGNAL5 w0.3: v1(70.79,9.109) v1(72.06,10.379) v1(70.79,11.649) 70.185,12.254 70.185,13.584 v1(70.79,14.189)
  Bottom Layer w0.3: J4.d40@70.155,9.744 v1(70.79,9.109) ; J4.d38@70.155,12.284 v1(70.79,11.649) ; J4.d36@70.155,14.824 v1(70.79,14.189) ; J4.c39@71.425,11.014 v1(72.06,10.379)
\\ADC_SCS: IC2.R8 J4.h22 R17.2 | length 64.6
  Top Layer w0.1: R17.2@38.985,23.774 41.985,23.774 43.085,24.874 43.085,26.004 IC2.R8@42.604,26.485 v1(42.104,25.985) ; v1(59.185,7.974) 59.185,17.174 61.995,19.984 61.995,22.128 62.472,22.606 62.472,30.862 63.085,31.474 63.985,31.474 64.44,31.929 v1(64.44,31.969)
  SIGNAL5 w0.1: v1(42.104,25.985) 42.504,25.585 42.504,16.455 44.885,14.074 47.085,14.074 53.285,7.874 56.65,7.874 56.75,7.974 v1(59.185,7.974)
  Bottom Layer w0.3: v1(64.44,31.969) J4.h22@65.075,32.604
\\SYNCSE: IC2.E2 J4.j27 | length 50.6
  Top Layer w0.1: v1(36.104,36.985) IC2.E2@36.604,36.485
  SIGNAL5 w0.1: v1(36.104,36.985) 36.585,36.504 36.585,35.836 36.876,35.545 37.334,35.545 37.625,35.253 37.625,34.801 37.934,34.492 38.392,34.492 38.699,34.185 38.699,29.154 38.682,29.137 38.682,24.742 40.385,23.04 v1(40.385,17.374)
  Bottom Layer w0.1: v1(40.385,17.374) 55.085,17.374 61.185,23.474 61.185,24.874 61.93,25.619 63.17,25.619
  Bottom Layer w0.3: 63.17,25.619 J4.j27@63.805,26.254
ADC_CLK_N: C103.2 IC2.J1 | length 21.6
  Top Layer w0.1: C103.2@19.585,28.124 19.835,28.374 19.935,28.374 19.984,28.424 19.984,28.557 19.785,28.756 v1(19.785,28.774) ; v1(34.985,32.774) 34.996,32.763 35.326,32.763 IC2.J1@35.604,32.485
  Bottom Layer w0.1: v1(19.785,28.774) 19.885,28.774 19.985,28.674 19.985,27.954 ccw(c21.12,27.954) 21.12,26.819 ccw(c21.12,28.173) 22.474,28.173 22.474,28.691 cw(c24.117,28.691) 22.955,29.853 24.167,31.064 ; 24.228,31.123 ccw(c25.666,29.564) 24.167,31.064 ; v1(34.985,32.774) 34.926,32.774 34.726,32.974 31.233,32.974 ccw(c31.233,30.884) 29.755,32.362 cw(c28.562,33.555) 28.562,31.868 26.023,31.868 ccw(c26.023,29.328) 24.227,31.124 24.167,31.064
ADC_CLK_P: C101.2 IC2.H1 | length 21
  Top Layer w0.1: v1(20.385,28.774) 20.375,28.774 20.185,28.584 20.185,28.424 C101.2@20.485,28.124 ; v1(34.985,33.374) 35.385,33.374 35.496,33.485 IC2.H1@35.604,33.485
  Bottom Layer w0.1: v1(20.385,28.774) 20.285,28.774 20.185,28.674 20.185,27.954 ccw(c21.12,27.954) 21.12,27.019 ccw(c21.12,28.173) 22.274,28.173 22.274,28.773 cw(c23.917,28.773) 22.755,29.936 24.084,31.264 24.085,31.266 cw(c26.023,29.328) 26.023,32.068 28.562,32.068 ccw(c28.562,33.555) 29.614,32.504 cw(c31.233,30.884) 31.233,33.174 34.726,33.174 34.926,33.374 v1(34.985,33.374)
ADC_IN_N: IC2.A5 R12.2 | length 31.5
  Top Layer w0.1: v1(38.985,42.274) 38.985,42.216 38.785,42.016 38.785,41.752 39.204,41.333 39.204,40.885 IC2.A5@39.604,40.485
  Bottom Layer w0.1: R12.2@11.64,42.4 ccw(c11.688,42.4) 11.654,42.366 11.927,42.093 cw(c11.893,42.059) 11.941,42.059 12,42 23.298,42 ccw(c23.298,44.54) 25.094,42.744 25.747,43.397 cw(c27.685,41.46) 27.685,44.2 37.4,44.2 cw(c37.4,43.517) 37.883,44 38.544,43.339 cw(c37.962,42.757) 38.785,42.757 ccw(c39.326,42.757) 38.943,42.374 cw(c38.843,42.274) v1(38.985,42.274)
ADC_IN_P: IC2.A4 R7.2 | length 31.2
  Top Layer w0.1: v1(38.385,42.274) 38.385,42.216 38.585,42.016 38.585,41.669 39.004,41.25 39.004,40.794 38.696,40.485 IC2.A4@38.604,40.485
  Bottom Layer w0.1: R7.2@11.64,41.4 cw(c11.688,41.4) 11.654,41.434 11.927,41.707 ccw(c11.893,41.741) 11.941,41.741 12,41.8 23.298,41.8 ccw(c23.298,44.54) 25.235,42.603 25.889,43.256 cw(c27.685,41.46) 27.685,44 37.4,44 cw(c37.4,43.517) 37.741,43.859 38.402,43.198 cw(c37.962,42.757) 38.585,42.757 cw(c38.043,42.757) 38.426,42.374 ccw(c38.526,42.274) v1(38.385,42.274)
ADC_PD: IC2.R1 J4.f28 R18.2 | length 61.3
  Top Layer w0.1: R18.2@33.685,25.974 33.696,25.985 v1(35.104,25.985) IC2.R1@35.604,26.485 ; v1(59.685,7.274) 59.685,7.774 59.585,7.874 59.585,16.974 61.464,18.853 62.064,18.853 62.535,19.324 62.535,20.804 62.908,21.177 63.332,21.177 63.788,21.633 63.788,22.089 64.143,22.444 64.683,22.444 65.075,22.836 65.075,23.384 65.454,23.763 66.394,23.763 v1(66.98,24.349)
  SIGNAL5 w0.1: v1(35.104,25.985) 35.605,25.484 36.339,25.484 36.606,25.217 36.606,24.749 36.88,24.474 37.357,24.474 39.185,22.647 39.185,16.474 40.985,14.674 41.953,14.674 42.853,13.774 43.485,13.774 44.385,12.874 46.685,12.874 52.785,6.774 57.785,6.774 58.285,7.274 v1(59.685,7.274)
  Bottom Layer w0.3: v1(66.98,24.349) J4.f28@67.615,24.984
ADC_SCK: IC2.T8 J4.g18 | length 66.9
  Top Layer w0.1: v1(42.104,24.985) IC2.T8@42.604,25.485 ; v1(57.185,7.574) 57.185,10.374 56.785,10.774 56.785,18.474 59.285,20.974 59.285,36.874 61.221,38.81 65.219,38.81 v1(65.714,38.315)
  SIGNAL5 w0.1: v1(42.104,24.985) 42.104,16.255 44.685,13.674 46.985,13.674 53.085,7.574 v1(57.185,7.574)
  Bottom Layer w0.3: v1(65.714,38.315) J4.g18@66.345,37.684
ADC_SDI: IC2.P8 J4.c18 | length 75
  Top Layer w0.1: v1@42.104,26.985 IC2.P8@42.604,27.485 ; v1(56.377,8.274) 56.377,9.001 56.385,9.009 56.385,10.074 55.985,10.474 55.985,18.874 58.485,21.374 58.485,37.274 61.439,40.228 67.15,40.228 68.504,38.874 71.028,38.874 71.583,38.319 v1(72.06,38.319)
  SIGNAL5 w0.1: v1(42.104,26.984) 42.893,26.194 42.893,16.666 45.085,14.474 47.185,14.474 53.388,8.271 56.374,8.271 v1(56.377,8.274)
  Bottom Layer w0.3: J4.c18@71.425,37.684 v1(72.06,38.319)
ADC_SDO: IC2.N8 J4.h19 | length 65.1
  Top Layer w0.1: v1(42.103,27.984) IC2.N8@42.604,28.485 ; v1(57.985,8.374) 57.985,17.874 60.485,20.374 60.485,36.274 61.185,36.974 62.35,36.974 62.85,37.474 64.015,37.474 v1(64.44,37.049)
  SIGNAL5 w0.1: v1(42.103,27.984) 43.285,26.802 43.285,16.709 45.119,14.874 47.285,14.874 53.485,8.674 56.585,8.674 56.885,8.374 v1(57.985,8.374)
  Bottom Layer w0.3: v1(64.44,37.049) J4.h19@65.075,36.414
AIN_N: J1.2 R8.1 | length 5.8
  Bottom Layer w0.2: J1.2@-8.54,39.46 -7.5,40.5 -7.2,40.5 -5.964,39.264 -5.964,37.365 -6.244,37.085 R8.1@-6.264,37.085
AIN_P: J1.1 R11.1 | length 6
  Bottom Layer w0.2: J1.1@-6,42 -6.988,41.012 -6.988,40.712 -5.664,39.388 -5.664,37.365 -5.384,37.085 R11.1@-5.364,37.085